# Altium PCB MainMaster20230302.PcbDoc (part 2 of 2) (continued)
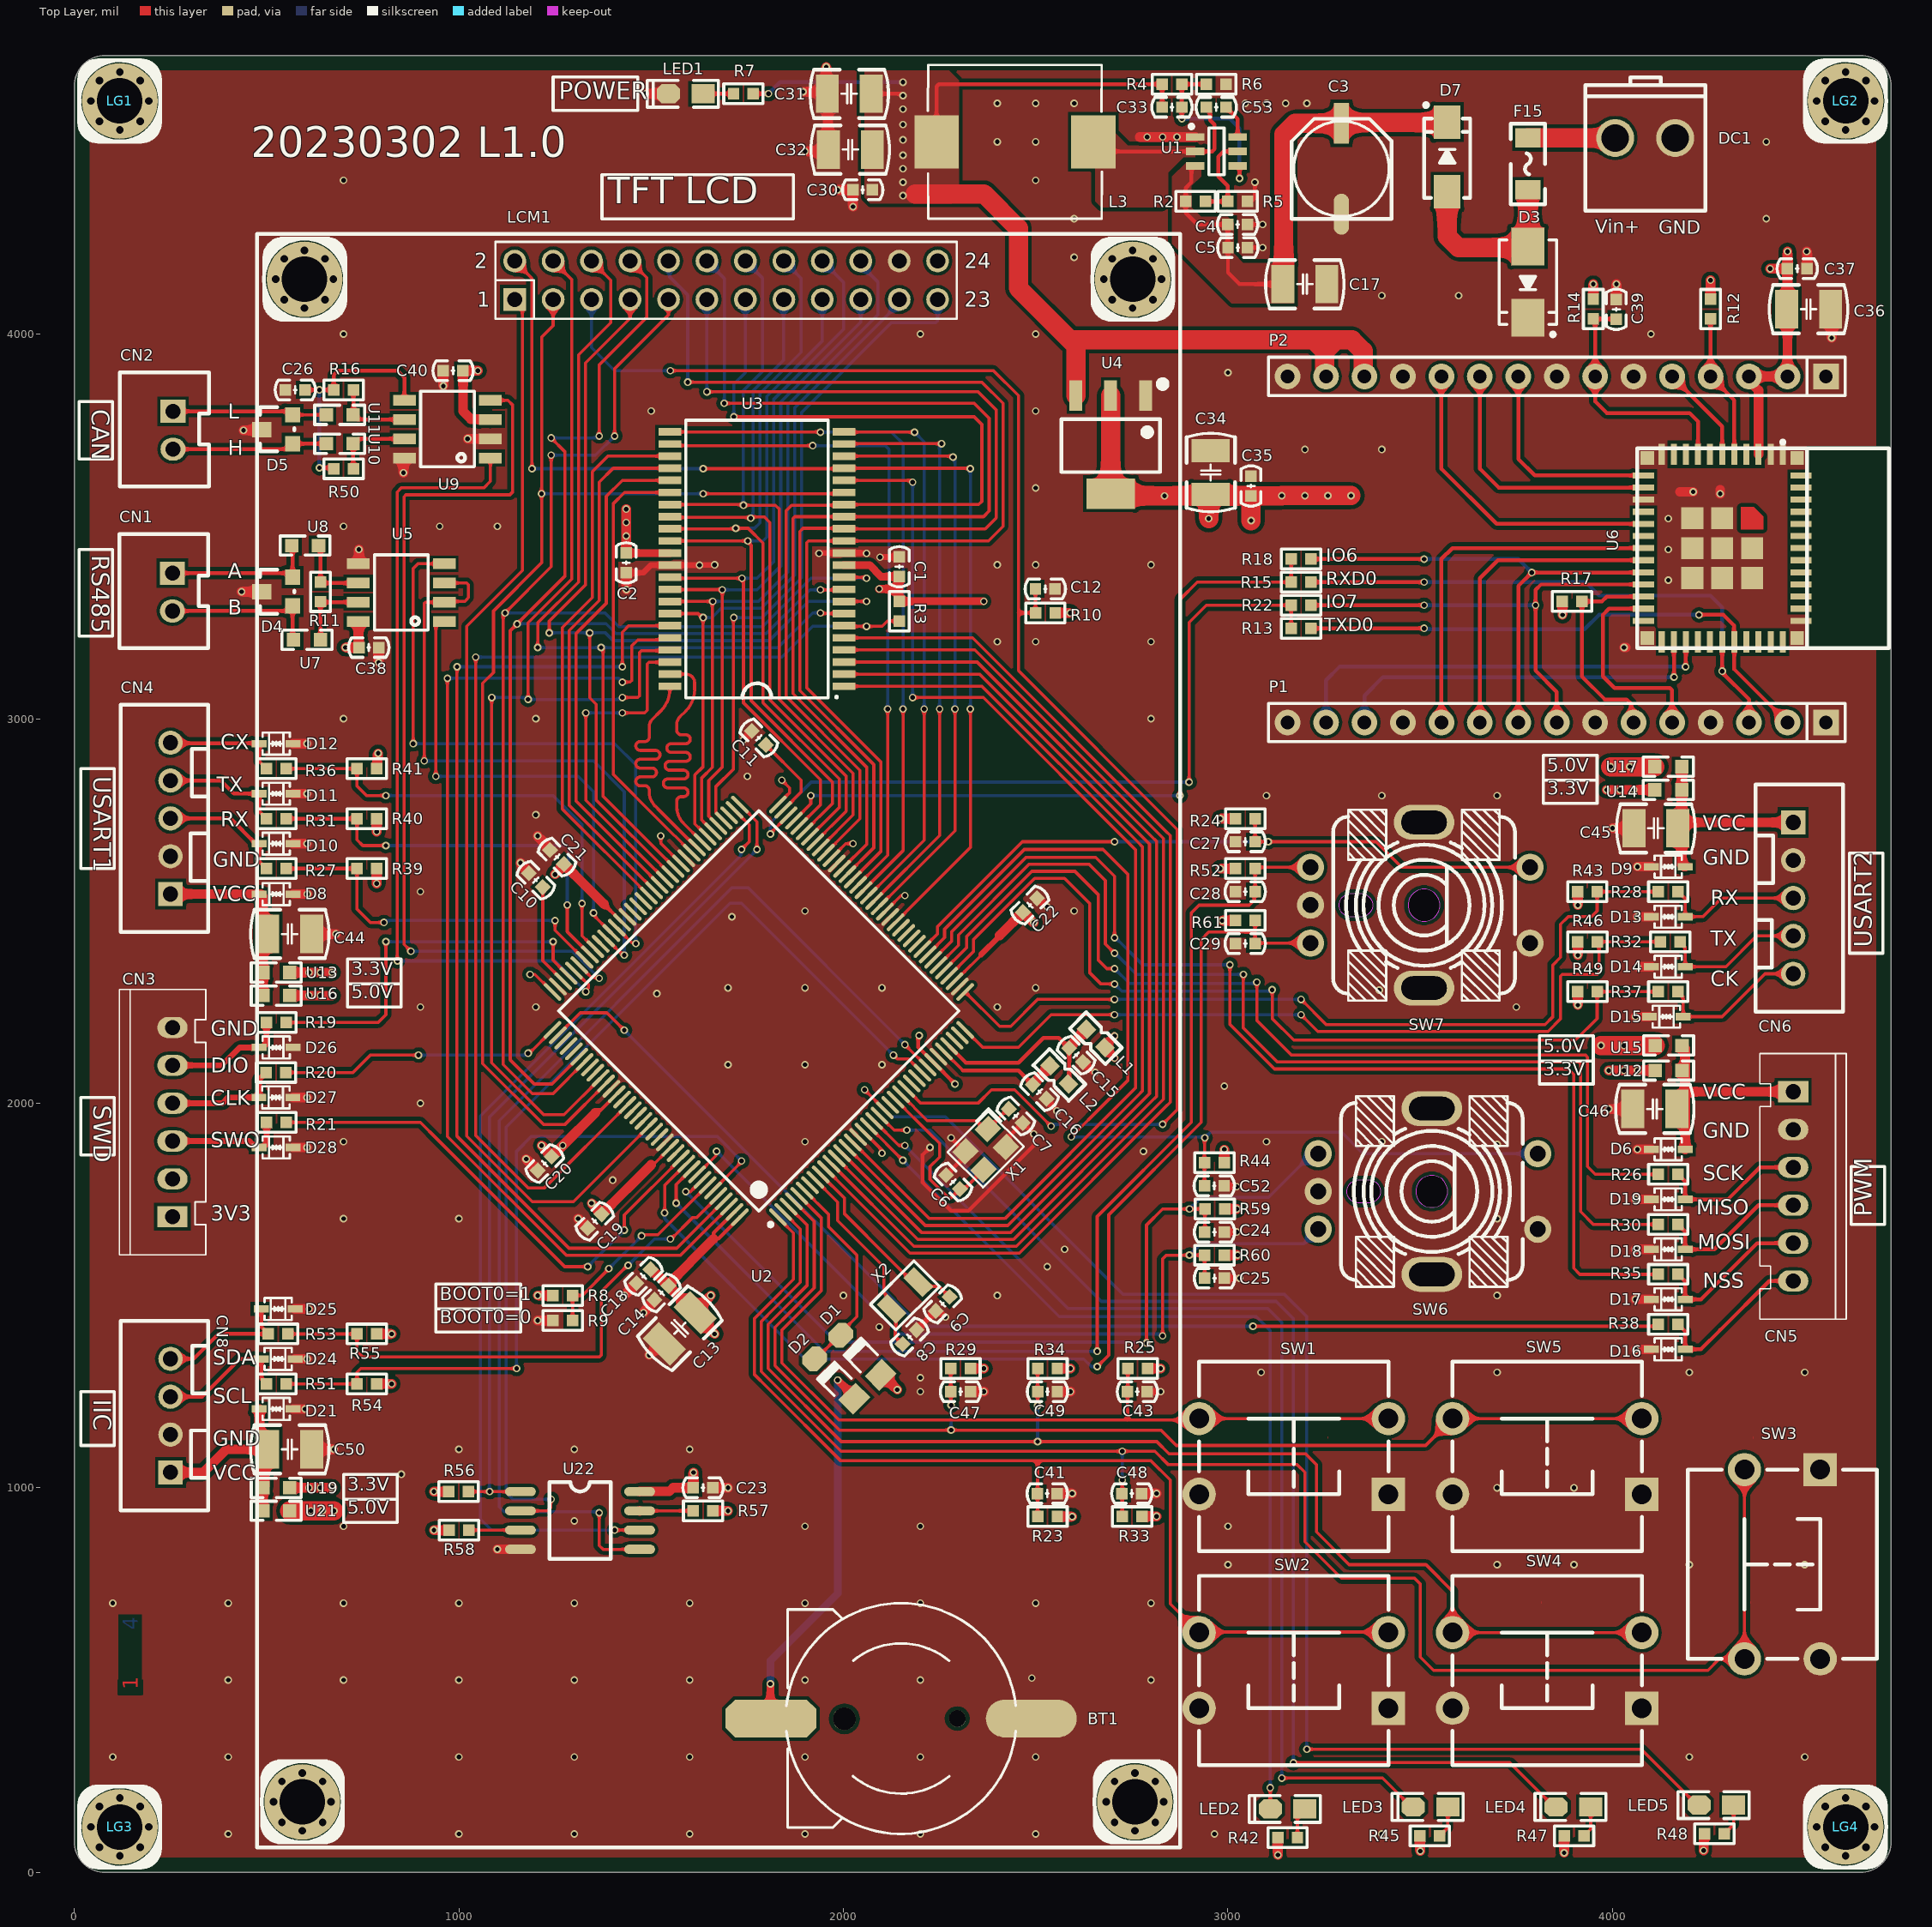
[diagram p0: Top Layer view]
## Nets (pads, with @x,y where several pads share a name; then routed paths per layer and width w, separated by ;. In a path a pad name is that pad's centre, name@x,y a point inside that pad or via, vN(x,y) a via of type N, cw(c..) or ccw(c..) an arc to the next point about the centre after c; other vN are vias at no path point) (continued)
NetC53_1: C53.1 L3.1 U1.2 | length 445.7
  Top Layer w10: L3.1@2650,4500 2675,4475 U1.2@2914.88,4475 2959.14,4475 2965,4480.86 2965,4545 2953.82,4556.18 2953.82,4580 C53.1@2943.82,4590
NetC53_2: C53.2 U1.6 | length 90.1
  Top Layer w10: C53.2@2995,4590 3025.12,4559.88 U1.6@3025.12,4512.4
NetCN1_1: CN1.1 D4.2 U8.2 | length 401.9
  Top Layer w10: CN1.1@255,3378.43 552.07,3378.43 D4.2@567.5,3363 ; U8.2@565,3450 567.5,3447.5 D4.2@567.5,3368
NetCN1_2: CN1.2 D4.1 U7.2 | length 404.8
  Top Layer w10: CN1.2@255,3280 559.5,3280 D4.1@567.5,3288 ; D4.1@567.5,3293 D4.1@567.5,3288 ; U7.2@570,3205 567.5,3207.5 D4.1@567.5,3288
NetCN2_1: CN2.1 D5.2 U11.2 | length 402.2
  Top Layer w8: D5.2@558.29,3799.21 D5.2@567.5,3790 U11.2@655,3790
  Top Layer w10: CN2.1@256.6,3799.21 D5.2@558.29,3799.21
NetCN2_2: CN2.2 D5.1 U10.2 | length 404.3
  Top Layer w10: CN2.2@256.6,3700.79 553.29,3700.79 D5.1@567.5,3715 U10.2@655,3715
NetCN3_3: CN3.3 D28.2 R21.2 | length 311.4
  Top Layer w15: CN3.3@255,1901.57 454.68,1901.57 471.26,1885 D28.2@481,1885 490.74,1885 500,1894.26 R21.2@500,1950
NetCN3_4: CN3.4 D27.2 R20.2 | length 304
  Top Layer w15: CN3.4@255,2000 385,2000 400,2015 D27.2@480,2015 480,2061.18 R20.2@498.82,2080
NetCN3_5: CN3.5 D26.2 R19.2 | length 323.6
  Top Layer w15: CN3.5@255,2098.43 383.43,2098.43 430,2145 D26.2@481,2145 490.74,2145 499.41,2153.67 R19.2@499.41,2210
NetCN4_3: CN4.3 D10.2 R27.1 | length 340.6
  Top Layer w10: CN4.3@250,2740.67 405.59,2740.67 471.26,2675 D10.2@481,2675 ; D10.2@490.74,2675 D10.2@481,2675 ; R27.1@499.41,2610 481,2628.4 D10.2@481,2675
NetCN4_4: CN4.4 D11.2 R31.1 | length 325.3
  Top Layer w10: CN4.4@250,2839.09 259.09,2830 268.18,2839.09 380.91,2839.09 415,2805 D11.2@481,2805 481,2758.4 R31.1@499.41,2740
NetCN4_5: CN4.5 D12.2 R36.1 | length 304.7
  Top Layer w10: CN4.5@250,2937.52 251.26,2936.26 479.74,2936.26 D12.2@481,2935 481,2888.4 R36.1@499.41,2870
NetCN5_3: CN5.3 D19.2 R26.1 | length 388.1
  Top Layer w10: R26.1@4170.59,1815 4189,1796.6 D19.2@4189,1750 4300,1750 4383.15,1833.15 CN5.3@4470,1833.15
NetCN5_4: CN5.4 D18.2 R30.1 | length 401.4
  Top Layer w10: R30.1@4170,1685 4189,1666 D18.2@4189,1620 4265,1620 4379.72,1734.72 CN5.4@4470,1734.72
NetCN5_5: CN5.5 D17.2 R35.1 | length 414.2
  Top Layer w10: R35.1@4170.59,1555 4189,1536.6 D17.2@4189,1490 4230,1490 4376.3,1636.3 CN5.5@4470,1636.3
NetCN5_6: CN5.6 D16.2 R38.1 | length 427.3
  Top Layer w10: R38.1@4170.59,1425 4189,1406.6 D16.2@4189,1360 4230,1360 4280,1410 4407.87,1537.87 CN5.6@4470,1537.87
NetCN6_3: CN6.3 D13.2 R28.1 | length 373.7
  Top Layer w8: R28.1@4170.59,2550 4189,2531.6 D13.2@4189,2485 4235,2485 4283.43,2533.43 CN6.3@4470,2533.43
NetCN6_4: CN6.4 D14.2 R32.1 | length 388.8
  Top Layer w8: R32.1@4175.59,2420 4189,2406.6 D14.2@4189,2355 4194,2360 4199,2355 4295,2355 4375,2435 CN6.4@4470,2435
NetCN6_5: CN6.5 D15.2 R37.1 | length 402.8
  Top Layer w8: R37.1@4170.59,2290 4184,2276.6 D15.2@4184,2225 4285,2225 4396.57,2336.57 CN6.5@4470,2336.57
NetCN8_3: CN8.3 D24.2 R51.1 | length 347.2
  Top Layer w10: CN8.3@250,1236.85 331.85,1236.85 430,1335 D24.2@486,1335 486,1283.4 R51.1@499.41,1270
NetCN8_4: CN8.4 D25.2 R53.1 | length 353.8
  Top Layer w10: CN8.4@250,1335.28 310.28,1335.28 375,1400 R53.1@504.41,1400 486,1418.4 D25.2@486,1465
NetD1_1: D1.1 D2.1 U2.6 | length 541.9
  Top Layer w8: U2.6@1899.01,1773 1961.73,1710.29 1961.73,1678.27 2035,1605 2035,1445 1990,1400 1990,1396.64 1928.36,1335 D2.1@1925,1335
NetD3_1: D3.1 D7.2 F15.2 | length 486.4
  Top Layer w50: D7.2@3570,4370 3570,4254.29 3599.29,4225 3777.48,4225 D3.1@3780,4227.52 F15.2@3780,4375
NetDC1_1: DC1.1 F15.1 | length 227
  Top Layer w50: F15.1@3780,4510 DC1.1@4007.04,4510
NetLED1_2: LED1.2 R7.1 | length 79.4
  Top Layer w10: LED1.2@1635,4625 R7.1@1714.41,4625
NetLED2_2: LED2.2 R42.2 | length 83
  Top Layer w8: R42.2@3180.59,90 3180.59,145.59 LED2.2@3200,165
NetLED3_2: LED3.2 R45.2 | length 83.7
  Top Layer w8: R45.2@3550.59,95 3571.67,116.08 LED3.2@3571.67,170
NetLED4_2: LED4.2 R47.2 | length 82.4
  Top Layer w8: R47.2@3925.59,95 3943.33,112.74 LED4.2@3943.33,170
NetLED5_2: LED5.2 R48.2 | length 85.1
  Top Layer w8: R48.2@4290.59,100 4315,124.41 LED5.2@4315,175
NetR2_1: R2.1 R5.2 U1.5 | length 240.7
  Top Layer w10: R2.1@2941.18,4345 R5.2@2999.41,4345 2999.41,4385.59 2975,4410 2975,4461.72 2988.28,4475 U1.5@3025.12,4475
NetR11_1: R11.1 U5.7 U7.1 | length 198.2
  Top Layer w10: U7.1@640,3205 R11.1@640,3304.41 641.63,3302.78 U5.7@738.14,3302.78
NetR11_2: R11.2 U5.6 U8.1 | length 195.8
  Top Layer w10: U8.1@635,3450 640,3445 R11.2@640,3355.59 642.81,3352.78 U5.6@738.14,3352.78
NetR16_1: R16.1 U9.6 U11.1 | length 203.5
  Top Layer w10: R16.1@725.59,3855 725.59,3790.59 U11.1@725,3790 737.22,3777.78 U9.6@858.14,3777.78
NetR50_1: R50.1 U9.7 U10.1 | length 203.7
  Top Layer w10: R50.1@725.59,3650 725,3650.6 U10.1@725,3715 737.78,3727.78 U9.7@858.14,3727.78
NetR57_2: R57.2 U22.7 | length 139.4
  Top Layer w8: U22.7@1470,940 R57.2@1609.41,940
NetR58_1: R58.1 U22.3 | length 134.4
  Top Layer w8: R58.1@1025.59,890 U22.3@1160,890
PA2_USART2_TX: R32.2 R46.2 U2.36 | length 2094.7
  Top Layer w8: U2.36@2316.59,2190.59 2362.18,2145 2455,2145 2540.3,2230.3 2704.55,2230.3 v1(2704.85,2230) ; v1(3190,2230) 3233.31,2186.69 3832.14,2186.69 3865,2219.54 3865,2330.31 3869.69,2335 3960,2335 3965,2340 3965,2415.58 R46.2@3960.59,2420 R32.2@4124.41,2420
  Bottom Layer w8: v1(2704.85,2230) v1(3190,2230)
PA3_USART2_RX: R28.2 R43.2 U2.37 | length 2197.1
  Top Layer w8: U2.37@2316.59,2289.41 2406.01,2200 2435,2200 2505,2270 v1(2704.85,2270) ; v1(3190,2270) 3255.31,2204.69 3824.69,2204.69 3845,2225 3845,2359.27 3865,2379.27 3865,2465 3885,2485 3945,2485 3960,2500 R43.2@3960,2550 R28.2@4119.41,2550
  Bottom Layer w8: v1(2704.85,2270) v1(3190,2270)
PA4_USART2_CK: R37.2 R49.2 U2.40 | length 2382.9
  Top Layer w8: U2.40@2274.84,2331.17 2338,2394.34 2338,2425.72 2497.28,2585 2575,2585 2640,2520 2640,2340 2670,2310 v1(2705,2310) ; v1(3115,2295) 3115,2220 3171,2164 3904,2164 3960,2220 3960,2289.41 R49.2@3960.59,2290 ; R49.2@3965.59,2290 R37.2@4119.41,2290
  Bottom Layer w8: v1(2705,2310) 2723.84,2291.16 3111.16,2291.16 v1(3115,2295)
PA5_SPI1_SCK: R26.2 U2.41 | length 2637
  Top Layer w8: U2.41@2260.92,2345.09 2320,2404.18 2320,2433.18 2489.82,2603 2602,2603 2663.16,2541.84 2663.16,2371.84 2685,2350 v1(2705,2350) ; v1(3075,2315) 3075,2215 3165,2125 3930,2125 3935,2120 3935,1835 3955,1815 R26.2@4119.41,1815
  Bottom Layer w8: v1(2705,2350) 2743.84,2311.16 3071.16,2311.16 v1(3075,2315)
PA6_SPI1_MISO: R30.2 U2.42 | length 2787.2
  Top Layer w8: U2.42@2247,2359.01 2299,2411.01 2299,2437.63 2482.37,2621 2639,2621 2681.16,2578.84 2681.16,2413.84 v1(2705,2390) ; v1(3040,2335) 3040,2195.46 3128.46,2107 3912.31,2107 3917,2102.31 3917,1718 3950,1685 R30.2@4118.82,1685
  Bottom Layer w8: v1(2705,2390) 2706.83,2390 2761.83,2335 v1(3040,2335)
PA7_SPI1_MOSI: R35.2 U2.43 | length 2939.6
  Top Layer w8: U2.43@2233.08,2372.93 2281,2420.85 2281,2445.09 2474.91,2639 2656,2639 2705,2590 v1(2705,2430) ; v1(3005,2360) 3005,2205 3121,2089 3885.09,2089 3899,2075.09 3899,1571 3915,1555 R35.2@4119.41,1555
  Bottom Layer w8: v1(2705,2430) 2708.16,2430 2778.16,2360 v1(3005,2360)
PA8_USART1_CX: R36.2 R41.2 U2.100 | length 1194.6
  Top Layer w8: R36.2@550.59,2870 R41.2@735,2870 735,2825 760,2800 v1(810,2800) ; v1(1320.17,2519.63) 1320,2519.46 1320,2435.53 U2.100@1354.76,2400.77
  Bottom Layer w8: v1(810,2800) 1245,2800 1320,2725 1320,2519.79 v1(1320.17,2519.63)
PA9_USART1_TX: R31.2 R40.2 U2.101 | length 1101.9
  Top Layer w8: R40.2@735,2740 735,2685 750,2670 v1(810,2670) ; v1(1281.7,2515.47) 1281.7,2445.99 U2.101@1340.84,2386.85
  Top Layer w10: R31.2@550.59,2740 R40.2@735,2740
  Bottom Layer w8: v1(810,2670) 1280.31,2670 1285,2665.31 1285,2593.62 1281.7,2590.33 v1(1281.7,2515.47)
PA10_USART1_RX: R27.2 R39.2 U2.102 | length 954.9
  Top Layer w8: R39.2@735,2610 735,2505 770,2470 v1(805,2470) ; v1(1250,2475) 1250,2449.85 U2.102@1326.92,2372.93
  Top Layer w10: R27.2@550.59,2610 R39.2@735,2610
  Bottom Layer w8: v1(805,2470) 810,2475 v1(1250,2475)
PA11_CAN1_RX: U2.103 U9.4 | length 2351.3
  Top Layer w8: v1(875,2395) 857.31,2412.69 857.31,3577.31 862,3582 1132.31,3582 1140,3589.69 1140,3815 1127.22,3827.78 U9.4@1081.86,3827.78 ; U2.103@1313,2359.01 1344.78,2327.24 1362.76,2327.24 v1(1365,2325)
  Bottom Layer w8: v1(875,2395) 1295,2395 v1(1365,2325)
PA12_CAN1_TX: U2.104 U9.1 | length 2132.2
  Top Layer w8: v1(840,2370) 839.31,2370.69 839.31,3589.31 850,3600 1065,3600 1081.86,3616.86 U9.1@1081.86,3677.78 ; U2.104@1299.08,2345.09 1299.58,2345.09 1318.6,2326.08 1319.07,2326.08 1337.36,2307.79 1337.36,2301.16 1332.24,2296.04 1332.24,2292.24 v1(1330,2290)
  Bottom Layer w8: v1(840,2370) 1250,2370 v1(1330,2290)
PA15_SPI1_NSS: R38.2 U2.110 | length 3225.9
  Top Layer w8: U2.110@1257.33,2176.67 1315.66,2235 1385,2235 v1(1430,2190) ; v1(3065,1420) 4114.41,1420 R38.2@4119.41,1425
  Bottom Layer w8: v1(1430,2190) 2200,1420 v1(3065,1420)
PB4_TIM3_CH1: C29.1 R61.1 SW7.B U2.134 | length 3025.8
  Top Layer w8: v1(1535,1715) 1535,1786.21 U2.134@1591.39,1842.6 ; v1(2660,1315) 2690,1345 2690,1710 2930,1950 2930,2425 2950,2445 3070.59,2445 ; R61.1@3070.59,2475 3070.59,2445 ; SW7.B@3214.57,2416.59 3072.18,2416.59 C29.1@3070.59,2415 3070.59,2445
  Bottom Layer w8: v1(1535,1715) 1535,1700 1900,1335 2624.77,1335 2644.77,1315 v1(2660,1315)
PB5_TIM3_CH2: C28.1 R52.1 SW7.A U2.135 | length 3007.4
  Top Layer w8: v1(1565,1740) 1565,1788.37 U2.135@1605.31,1828.68 ; v1(2660,1355) 2660,1705.46 2905,1950.46 2905,2495 2925,2515 3055,2515 3067.01,2527.01 3068.49,2527.01 3068.49,2547.9 C28.1@3070.59,2550 R52.1@3070.59,2610 3074.03,2613.44 SW7.A@3214.57,2613.44
  Bottom Layer w8: v1(1565,1740) 1950,1355 v1(2660,1355)
PB6_TIM4_CH1: C25.1 R60.1 SW6.B U2.136 | length 2176.3
  Top Layer w8: U2.136@1619.23,1814.76 1667.76,1863.3 1667.76,1872.76 v1(1670,1875) ; v1(2830,1395) 2830,1595 2840,1605 R60.1@2939.41,1605 C25.1@2939.41,1545
  Bottom Layer w8: v1(1670,1875) 2145,1400 2821.84,1400 2826.84,1395 v1(2830,1395) ; v1(2899.7,1605) 2929.7,1635 3197.43,1635 SW6.B@3234.57,1672.14
PB7_TIM4_CH2: C24.1 R59.1 SW6.A U2.137 | length 2348
  Top Layer w8: v1(1590,1770) 1602.31,1770 U2.137@1633.15,1800.84 ; v1(2788.08,1376.16) 2788.08,1683.08 2830,1725 v1(2900,1725) R59.1@2940,1725 2940,1665.59 C24.1@2939.41,1665
  Bottom Layer w8: v1(1590,1770) 1981.16,1378.84 2785.39,1378.84 v1(2788.08,1376.16) ; v1(2900,1725) 2930,1755 3105.19,1755 3170,1819.81 3219.18,1868.99 SW6.A@3234.73,1868.99
PB8_I2C1_SCL: R51.2 R54.2 U2.139 | length 1933.7
  Top Layer w8: R51.2@550.59,1270 R54.2@735,1270 735,1300 745,1310 v1(1150,1310) ; U2.139@1660.99,1773 1660.99,1773.5 1735,1847.51 v1(1735,1850)
  Bottom Layer w8: v1(1150,1310) 1150,1875 1188.84,1913.84 1671.16,1913.84 v1(1735,1850)
PB9_I2C1_SDA: R53.2 R55.2 U2.140 | length 1441
  Top Layer w8: R53.2@555.59,1400 R55.2@735,1400 735,1355 750,1340 1365.31,1340 1370,1344.69 1370,1510 1435.77,1575.77 1437.61,1575.77 v1(1440,1578.16) ; v1(1550,1646.84) 1551.84,1646.84 1607.24,1702.24 1618.06,1702.24 U2.140@1674.91,1759.08
  Bottom Layer w8: v1(1440,1578.16) 1508.69,1646.84 v1(1550,1646.84)
PB10_USART3_TX: R15.1 R18.2 U2.69 | length 1921.4
  Top Layer w8: U2.69@1871.17,2734.84 1915,2778.66 v1(1915,2800) ; v1(2875,2800) 2875,3310 2920,3355 R15.1@3164.41,3355 R18.2@3164.41,3415
  Bottom Layer w8: v1(1915,2800) v1(2875,2800)
PB11_USART3_RX: R13.1 R22.2 U2.70 | length 1989.1
  Top Layer w8: v1(1810,2700) 1810,2701.5 U2.70@1857.25,2748.76 ; v1(2898.84,2835) 2898.84,3250 2943.85,3295 R22.2@3164.41,3295 R13.1@3164.41,3235
  Bottom Layer w8: v1(1810,2700) 1810,2728.72 1916.28,2835 v1(2898.84,2835)
PB12_SPI2_NSS: R56.2 U2.73 U22.1 | length 2239.9
  Top Layer w8: R56.2@1025,990 1090,990 U22.1@1160,990 ; v1(1080,990) 1091.16,990 ; U2.73@1730.59,2776.59 1775,2732.18 v1(1775,2660)
  Bottom Layer w8: v1(1080,990) 1079,991 1079,1963.54 1775,2659.54 v1(1775,2660)
PB13_SPI2_SCK: U2.74 U22.6 | length 2575
  Top Layer w8: v1(1405,890) U22.6@1470,890 ; U2.74@1716.67,2762.67 1755,2724.34 1755,2680 v1(1735,2660)
  Bottom Layer w8: v1(1405,890) 1085,890 1056.16,918.84 1056.16,1966.61 1733.07,2643.52 1733.07,2658.07 v1(1735,2660)
PB15_LCD_BLK: LCM1.23 U2.76 | length 1713.4
  Top Layer w8: U2.76@1688.83,2734.84 1688.83,2735.33 1667.73,2756.43 1667.73,2822.73 1713.5,2868.5 1713.5,3261.34 v1(1715,3262.84)
  Bottom Layer w8: v1(1715,3262.84) 1787.84,3262.84 1891,3366 1891,3796.31 2124.69,4030 2240.31,4030 2245,4034.69 LCM1.23@2245,4090
PC2_SPI2_MISO: U2.28 U22.2 | length 2685.1
  Top Layer w8: U22.2@1160,940 1230,940 1238.16,948.16 1238.16,968.16 v1(1240,970) ; v1(2130,2125) 2130.53,2125 2140.53,2115 2169.47,2115 U2.28@2205.24,2079.23
  Bottom Layer w8: v1(1240,970) 1140,970 1123,987 1123,1938 1705,2520 1735,2520 v1(2130,2125)
PC3_SPI2_MOSI: U2.29 U22.5 | length 3023.5
  Top Layer w8: v1(1365,935) 1365,850 1375,840 U22.5@1470,840 ; v1(2160,2152.31) U2.29@2219.16,2093.15
  Bottom Layer w8: v1(1365,935) 1362.31,937.68 1117.31,937.68 1105,950 1105,1955 1710,2560 1752.31,2560 v1(2160,2152.31)
PC4_KEY0: C52.1 R44.1 SW6.D U2.44 | length 2786.7
  Top Layer w8: U2.44@2219.16,2386.85 2263,2430.69 2263,2452.54 2470.46,2660 2675,2660 2740,2595 2740,2060 2678.84,1998.84 v1(2592.5,1912.5) ; C52.1@2938.82,1785 R44.1@2938.82,1844.41 ; R44.1@2939.41,1845 R44.1@2938.82,1844.41 ; v1(2940,1910) 2938.82,1908.82 R44.1@2938.82,1844.41
  Bottom Layer w8: v1(2592.5,1912.5) 2937.5,1912.5 v1(2940,1910) 2954.44,1924.44 3295.56,1924.44 3351.01,1868.99 SW6.D@3805.59,1868.99
PC5_KEY1: C27.1 R24.1 SW7.D U2.45 | length 1829.2
  Top Layer w8: U2.45@2205.24,2400.77 2245,2440.53 2245,2460 2465,2680 v1(2705,2680) ; R24.1@3070.59,2740 C27.1@3070.59,2680 v1(3105,2680) 3385,2680 3451.56,2613.44 SW7.D@3785.43,2613.44
  Bottom Layer w8: v1(2705,2680) v1(3105,2680)
PC6_USART6_TX: U2.96 U5.4 | length 1674.6
  Top Layer w8: v1(881.16,2935) 881.16,3390.41 893.53,3402.78 U5.4@961.86,3402.78 ; U2.96@1410.44,2456.45 1449.65,2417.24 1457.76,2417.24 v1(1460,2415)
  Bottom Layer w8: v1(881.16,2935) 1405,2935 1460,2880 v1(1460,2415)
PC7_USART6_RX: U2.97 U5.1 | length 1232.2
  Top Layer w8: v1(940,2850) 940,3243 949.78,3252.78 U5.1@961.86,3252.78 ; v1(1350,2495) 1352.24,2492.76 1352.24,2486.81 U2.97@1396.52,2442.53
  Bottom Layer w8: v1(940,2850) 1310,2850 1350,2810 v1(1350,2495)
PC8_485_CTR: U2.98 U5.2 U5.3 | length 1673.1
  Top Layer w8: v1(910,2890) 910,3299.88 912.89,3302.78 U5.2@961.86,3302.78 964.08,3305 1015.31,3305 1020,3309.69 1020,3310 1025,3315 1025,3348.09 1020.31,3352.78 U5.3@961.86,3352.78 ; U2.98@1382.6,2428.61 1423.97,2387.24 1427.76,2387.24 v1(1430,2385)
  Bottom Layer w8: v1(910,2890) 1350,2890 1430,2810 v1(1430,2385)
PE2_KEY2: C41.1 R23.2 SW2.3 SW2.4 U2.1 | length 2729.8
  Top Layer w8: U2.1@1829.41,1703.41 1870,1662.82 1870,1541.82 1803,1474.82 1768,1439.82 1768,1295.18 1803,1260.18 1993.18,1070 2505,1070 ; R23.2@2505,925 2505,984.4 C41.1@2504.41,985 2505,985.59 2505,1070 ; SW2.4@3417.13,623.43 3415.55,625 2926.57,625 SW2.3@2925,623.43 2850.06,698.37 2850.06,1019.94 2800,1070 2505,1070
PE3_KEY3: C48.1 R33.2 SW3.3 SW3.4 U2.2 | length 4246.8
  Top Layer w8: U2.2@1843.33,1717.33 1888,1672.66 1888,1534.37 1821,1467.37 1786,1432.37 1786,1302.63 1821,1267.63 1993.63,1095 v1(2725,1095) 2810,1095 2845,1060 3180,1060 3200,1040 3200,860 3295,765 3485,765 3500,750 3500,560 3535,525 4248,525 4278,555 SW3.3@4343.15,555 4343.15,573.94 SW3.4@4343.15,1047.13 ; C48.1@2724.41,985 C48.1@2725,985.59 ; R33.2@2725,925 C48.1@2725,985.59 ; v1(2725,1020) C48.1@2725,985.59
  Bottom Layer w8: v1(2725,1020) v1(2725,1095)
PE4_KEY4: C49.1 R34.2 SW4.3 SW4.4 U2.3 | length 3395.7
  Top Layer w8: U2.3@1857.25,1731.24 1906,1682.5 1906,1526.91 1839,1459.91 1804,1424.91 1804,1310.09 1994.09,1120 v1(2505,1120) 2815,1120 2847,1088 3202,1088 3230,1060 3230,885 3315,800 3515,800 3583.94,731.06 SW4.3@3583.94,623.43 SW4.4@4076.06,623.43 ; v1(2505,1213.84) C49.1@2505,1250 R34.2@2505,1310
  Bottom Layer w8: v1(2505,1120) v1(2505,1213.84)
PE5_KEY5: C47.1 R29.2 SW5.3 SW5.4 U2.4 | length 3060.5
  Top Layer w8: U2.4@1871.17,1745.16 1924,1692.34 1924,1519.46 1857,1452.46 1822,1417.46 1822,1317.54 1857,1282.54 1989.54,1150 v1(2280,1150) 2825.46,1150 2865.46,1110 3513.94,1110 SW5.3@3583.94,1180 SW5.4@4076.06,1180 ; 2278.82,1225 2279.41,1225.59 ; C47.1@2278.82,1250 R29.2@2278.82,1310 ; 2279.41,1285 2279.41,1225.59 ; v1(2280,1215) 2279.41,1215.59 2279.41,1225.59 ; SW5.3@3577.43,1184.43 SW5.3@3580,1181.85
  Bottom Layer w8: v1(2280,1150) v1(2280,1215)
PE6_KEY6: C43.1 R25.2 SW1.3 SW1.4 U2.5 | length 2274.6
  Top Layer w8: U2.5@1885.09,1759.08 1942,1702.18 1942,1512 1840,1410 1840,1325 1989,1176 2738.82,1176 ; R25.2@2739.41,1310 2739.41,1250.59 C43.1@2738.82,1250 2738.82,1176 ; SW1.3@2922.87,1185 2913.87,1176 2738.82,1176 ; SW1.3@2925,1180 SW1.4@3417.13,1180
PF6_LED0: LED2.1 U2.18 | length 2507.8
  Top Layer w8: U2.18@2066.04,1940.04 2154.38,1851.7 v1(2154.53,1851.7) ; LED2.1@3110,165 v1(3110,220)
  Bottom Layer w8: v1(2154.53,1851.7) 2561.23,1445 3073.72,1445 3110,1408.72 v1(3110,220)
PF7_LED1: LED3.1 U2.19 | length 2834.8
  Top Layer w8: U2.19@2079.96,1953.96 2143.92,1890 v1(2160,1890) ; v1(3140,245) 3401.67,245 3476.67,170 LED3.1@3481.67,170
  Bottom Layer w8: v1(2160,1890) 2583.31,1466.68 3103.31,1466.68 3140,1430 v1(3140,245)
PF8_LED2: LED4.1 U2.20 | length 3180.7
  Top Layer w8: U2.20@2093.88,1967.88 2131.76,1930 v1(2165,1930) ; v1(3170,285) 3733.33,285 3848.33,170 LED4.1@3853.33,170
  Bottom Layer w8: v1(2165,1930) 2225,1930 2670.31,1484.68 3125.31,1484.68 3170,1440 v1(3170,285)
PF9_LED3: LED5.1 U2.21 | length 3674.6
  Top Layer w8: v1(2055,2035) 2055,2034.8 2107.6,1982.2 2107.8,1982.2 U2.21@2107.8,1981.79 ; v1(3205,320) 4075,320 4220,175 LED5.1@4225,175
  Bottom Layer w8: v1(2055,2035) 2125,1965 2265,1965 2727.31,1502.68 3147.31,1502.68 3205,1445 v1(3205,320)
RESET: C12.2 LCM1.5 R10.2 U2.25 | length 4213.4
  Top Layer w8: v1(1550,3905) 2390,3905 2455,3840 2455,3275 ; U2.25@2163.48,2037.47 2200.95,2000 2350,2000 2385,2035 2445,2035 v1(2540,1940) ; R10.2@2499.41,3275 2455,3275 ; R10.2@2499.41,3275 C12.2@2499.39,3337.46 ; v1(2830,1945) 2868,1983 2868,2712 2455,3125 2455,3275
  Bottom Layer w8: LCM1.5@1345,4090 1345,3965 1405,3905 v1(1550,3905) ; v1(2540,1940) 2545,1945 v1(2830,1945)
RXD0: P1.3 R15.2 U6.30 | length 1501.2
  Top Layer w10: R15.2@3215.59,3355 v1(3510,3355) ; U6.30@4285.28,3199.41 v1(4285.28,3123.51) 4285.28,3119.72 4355,3050 P1.3@4355,2990
  Bottom Layer w10: v1(3510,3355) 3930,3355 3965,3320 4255,3320 4285.28,3289.72 4285.28,3199.72 v1(4285.28,3123.51)
SWCLK: R20.1 U2.109 | length 739.2
  Top Layer w8: R20.1@550,2080 725,2080 770,2125 v1(895,2125) ; v1(1180,2130) 1182.82,2130 U2.109@1243.41,2190.59
  Bottom Layer w8: v1(895,2125) 1175,2125 v1(1180,2130)
SWDIO: R19.1 U2.105 | length 998.2
  Top Layer w8: R19.1@550.59,2210 790,2210 810,2230 v1(810,2420) ; v1(1245,2420) 1245,2371.34 U2.105@1285.16,2331.17
  Bottom Layer w8: v1(810,2420) v1(1245,2420)
SWO: R21.1 U2.133 | length 1321.1
  Top Layer w8: R21.1@551.18,1950 900,1950 945,1905 1275,1575 v1(1335,1575) ; v1(1430,1670) 1430,1709.05 U2.133@1577.47,1856.52
  Bottom Layer w8: v1(1335,1575) v1(1430,1670)
TXD0: P1.2 R13.2 U6.31 | length 1438.6
  Top Layer w10: R13.2@3215.59,3235 v1(3510,3235) ; v1(4225,3270) 4288.69,3270 4315.89,3242.8 4315.89,3200.3 U6.31@4316.78,3199.41 4316.78,3128.22 P1.2@4455,2990
  Bottom Layer w10: v1(3510,3235) 3511.85,3233.15 3518.7,3233.15 3519.35,3232.5 3927.5,3232.5 3965,3270 v1(4225,3270)
VREF: C16.2 L2.2 U2.32 | length 401.6
  Top Layer w8: U2.32@2260.92,2134.91 2310.82,2085 ; C16.2@2491.91,2048.1 2537.51,2093.7 2537.51,2095.59 L2.2@2537.51,2097.49
  Top Layer w10: 2310.82,2085 2455,2085 C16.2@2491.91,2048.1
  Top Layer w25: C16.2@2491.91,2048.1 2491.91,2049.99 L2.2@2537.51,2095.59
pads on no net: BT1.0 CN3.2 LCM1.0 LG1.0 LG2.0 LG3.0 LG4.0 U2.7 U2.22 U2.26 U2.27 U2.34 U2.35 U2.46 U2.47 U2.48 U2.49 U2.75 U2.91 U2.92 U2.93 U2.99 U2.111 U2.112 U2.113 U2.116 U2.117 U2.122 U2.124 U2.125 U2.126 U2.128 U2.129 U2.132 U6.4 U6.7 U6.9 U6.10 U6.15 U6.17 U6.24 U6.25 U6.28 U6.29 U6.32 U6.33 U6.34 U6.35 U6.37 U6.38 U6.39 U6.40 U6.41 U6.42 U6.43 U6.44 U6.45 U6.46 U6.47 U6.48
copper on no net: | length 1.3
  Top Layer w15: 255,1803.15 255.93,1804.08

## Polygon pours and split planes (outlines as drawn)
AGND on Top Layer "AGND_L01_P026" (solid, remove dead copper, pour order 26): 40,4585 cw(c140,4585) 140,4685 4585.67,4685 cw(c4585.67,4585) 4685.67,4585 4685.67,139.33 cw(c4585.67,139.33) 4585.67,39.33 140,39.33 cw(c140,139.33) 40,139.33
NetC53_1 on Top Layer "NETC53_1_L01_P020" (solid, pour order 20): 2915,4490 2740,4490 2705,4525 2655,4475 2655,4345 2670,4330 2830,4330 2845,4345 2845,4420 2885,4460 2915,4460
5V on Top Layer "5V_L01_P021" (solid, remove dead copper, pour order 21): 2055,4685 2275,4685 2300,4660 2300,4360 2280,4340 2070,4340 2055,4355
NetC3_1 on Top Layer "NETC3_1_L01_P019" (solid, remove dead copper, pour order 19): 2890,4445 2855,4410 2855,4235 3010,4080 3170,4080 3170,4175 3160,4185 3040,4185 3015,4210 3015,4290 3000,4305 2930,4305 2905,4330 2905,4385 2930,4410 2930,4445
no net on Top Layer "NONET_L01_P018" (solid, pour order 18): 2890,4445
3V3 on VDD "3V3_L02_P023" (solid, remove dead copper, pour order 23): 39.37,4585.04 cw(c139.37,4585.04) 139.37,4685.04 4585.04,4685.04 cw(c4585.04,4585.04) 4685.04,4585.04 4685.04,139.37 cw(c4585.04,139.37) 4585.04,39.37 139.37,39.37 cw(c139.37,139.37) 39.37,139.37
no net on VDD "NONET_L02_P022" (solid, pour order 22): 20,4440
no net on Top Overlay "NONET_L02_P-001" (solid): 395,1140
AGND on GND "AGND_L03_P024" (solid, remove dead copper, pour order 24): 39.37,4585.04 cw(c139.37,4585.04) 139.37,4685.04 4585.04,4685.04 cw(c4585.04,4585.04) 4685.04,4585.04 4685.04,139.37 cw(c4585.04,139.37) 4585.04,39.37 139.37,39.37 cw(c139.37,139.37) 39.37,139.37
AGND on Bottom Layer "AGND_L04_P025" (solid, remove dead copper, pour order 25): 37.98,4584.86 cw(c137.98,4584.86) 137.98,4684.86 4583.65,4684.86 cw(c4583.65,4584.86) 4683.65,4584.86 4683.65,139.19 cw(c4583.65,139.19) 4583.65,39.19 137.98,39.19 cw(c137.98,139.19) 37.98,139.19

## Other copper
Top Layer:
  pour cut-out: 115,460 175,460 175,670 115,670
  pour cut-out: 4505,3710 4520,3710 4715,3710 4715,3195 4705,3185 4505,3185
  text "1" at 165,475 h39.37 r90
VDD:
  pour cut-out: 115,460 175,460 175,670 115,670
  pour cut-out: 4505,3710 4520,3710 4715,3710 4715,3195 4705,3185 4505,3185
  text "2" at 165,520 h39.37 r90
GND:
  pour cut-out: 115,460 175,460 175,670 115,670
  pour cut-out: 4505,3710 4520,3710 4715,3710 4715,3195 4705,3185 4505,3185
  text "3" at 165,575 h39.37 r90
Bottom Layer:
  pour cut-out: 115,460 175,460 175,670 115,670
  pour cut-out: 4505,3710 4520,3710 4715,3710 4715,3195 4705,3185 4505,3185
  text "4" at 165,630 h39.37 r90

## Silkscreen, mask and mechanical layers (free items; w line width, h text height)
Top Overlay:
  lines w8: 700,970 840,970 ; 710,2310 850,2310 ; 940,1465 1161,1465 ; 3810,2110 3950,2110 ; 3820,2840 3960,2840 ; 12,3215 99,3215 99,3440 12,3440 12,3215 ; 12,3675 99,3675 99,3825 12,3825 12,3675 ; 17,1110 17,1250 104,1250 104,1110 17,1110 ; 17,1865 104,1865 104,2015 17,2015 17,1865 ; 17,2610 104,2610 104,2870 17,2870 17,2610 ; 700,910 700,1035 840,1035 840,910 700,910 ; 710,2250 710,2375 850,2375 850,2250 710,2250 ; 940,1405 940,1530 1161,1530 1161,1405 940,1405 ; 1245,4582 1465,4582 1465,4669 1245,4669 1245,4582 ; 1372,4300 1870,4300 1870,4414 1372,4414 1372,4300 ; 3810,2050 3810,2175 3950,2175 3950,2050 3810,2050 ; 3820,2780 3960,2780 3960,2905 3820,2905 3820,2780 ; 4616,2390 4703,2390 4703,2650 4616,2650 4616,2390 ; 4621,1685 4621,1835 4708,1835 4708,1685 4621,1685
  text "POWER" at 1260,4595 h78.74
  text "20230302 L1.0" at 459.84,4459.84 h78.74
  text "TFT LCD" at 1387,4316 h118.11
  text "Vin+" at 3955,4250 h60
  text "GND" at 4119.56,4248.62 h60
  text "CAN" at 30,3805 h78.74 r270
  text "L" at 399.36,3780 h39.37
  text "H" at 399.36,3685 h39.37
  text "RS485" at 30,3425 h78.74 r270
  text "IO6" at 3255,3395 h60
  text "A" at 399.36,3365 h39.37
  text "RXD0" at 3255,3335 h60
  text "IO7" at 3255,3275 h60
  text "B" at 399.36,3270 h39.37
  text "TXD0" at 3250,3215 h60
  text "CX" at 379.68,2920 h39.37
  text "USART1" at 35,2850 h78.74 r270
  text "5.0V" at 3830,2850 h60
  text "TX" at 370,2810 h39.37
  text "3.3V" at 3830,2790 h60
  text "RX" at 379.68,2720 h39.37
  text "VCC" at 4235,2710 h39.37
  text "GND" at 4235,2620 h39.37
  text "GND" at 360,2615 h39.37
  text "VCC" at 360,2525 h39.37
  text "RX" at 4254.68,2515 h39.37
  text "TX" at 4254.68,2410 h39.37
  text "USART2" at 4690,2405 h78.74 r90
  text "3.3V" at 720,2320 h60
  text "CK" at 4254.68,2305 h39.37
  text "5.0V" at 720,2260 h60
  text "GND" at 355,2175 h39.37
  text "5.0V" at 3820,2120 h60
  text "DIO" at 355,2080 h39.37
  text "3.3V" at 3820,2060 h60
  text "VCC" at 4235,2010 h39.37
  text "SWD" at 35,1995 h78.74 r270
  text "CLK" at 355,1995 h39.37
  text "GND" at 4235,1910 h39.37
  text "SWO" at 355,1885 h39.37
  text "SCK" at 4235,1800 h39.37
  text "MISO" at 4218.6,1710 h39.37
  text "PWM" at 4690,1705 h78.74 r90
  text "3V3" at 355,1695 h39.37
  text "MOSI" at 4221.88,1620 h39.37
  text "NSS" at 4235,1520 h39.37
  text "BOOT0=1" at 950,1475 h60
  text "BOOT0=0" at 950,1415 h60
  text "SDA" at 360,1320 h39.37
  text "IIC" at 35,1230 h78.74 r270
  text "SCL" at 360,1220 h39.37
  text "GND" at 360,1110 h39.37
  text "VCC" at 360,1020 h39.37
  text "3.3V" at 710,980 h60
  text "5.0V" at 710,920 h60
Mechanical 1:
  the board outline again, w10

## Dimensions
4555,3890 to 4555,2990 on Top Overlay
78.74,0 to 78.74,4724.41 on Top Overlay
4725,50 to 0,78.74 on Top Overlay

## Text inside footprints (layer, text, board x,y; h text height)
LCM1: Top Overlay "24" at 2314.53,4170.87 h39.37; Top Overlay "23" at 2314.53,4070.87 h39.37; Top Overlay "2" at 1040.76,4170.87 h39.37; Top Overlay "1" at 1047.32,4070.87 h39.37